# Altium PCB Copy of Board_EP1C6T144I8N.PcbDoc (part 2 of 3)
Units mm, origin at the board's own origin, x right, y up, seen from the top; angles counter-clockwise.
Board outline 55 x 59 mm, 2 copper layers (Top Layer, Bottom Layer); 250 components, 211 nets, 1313 pads, 196 vias.
Unrouted connection lines stored in the file: 101.
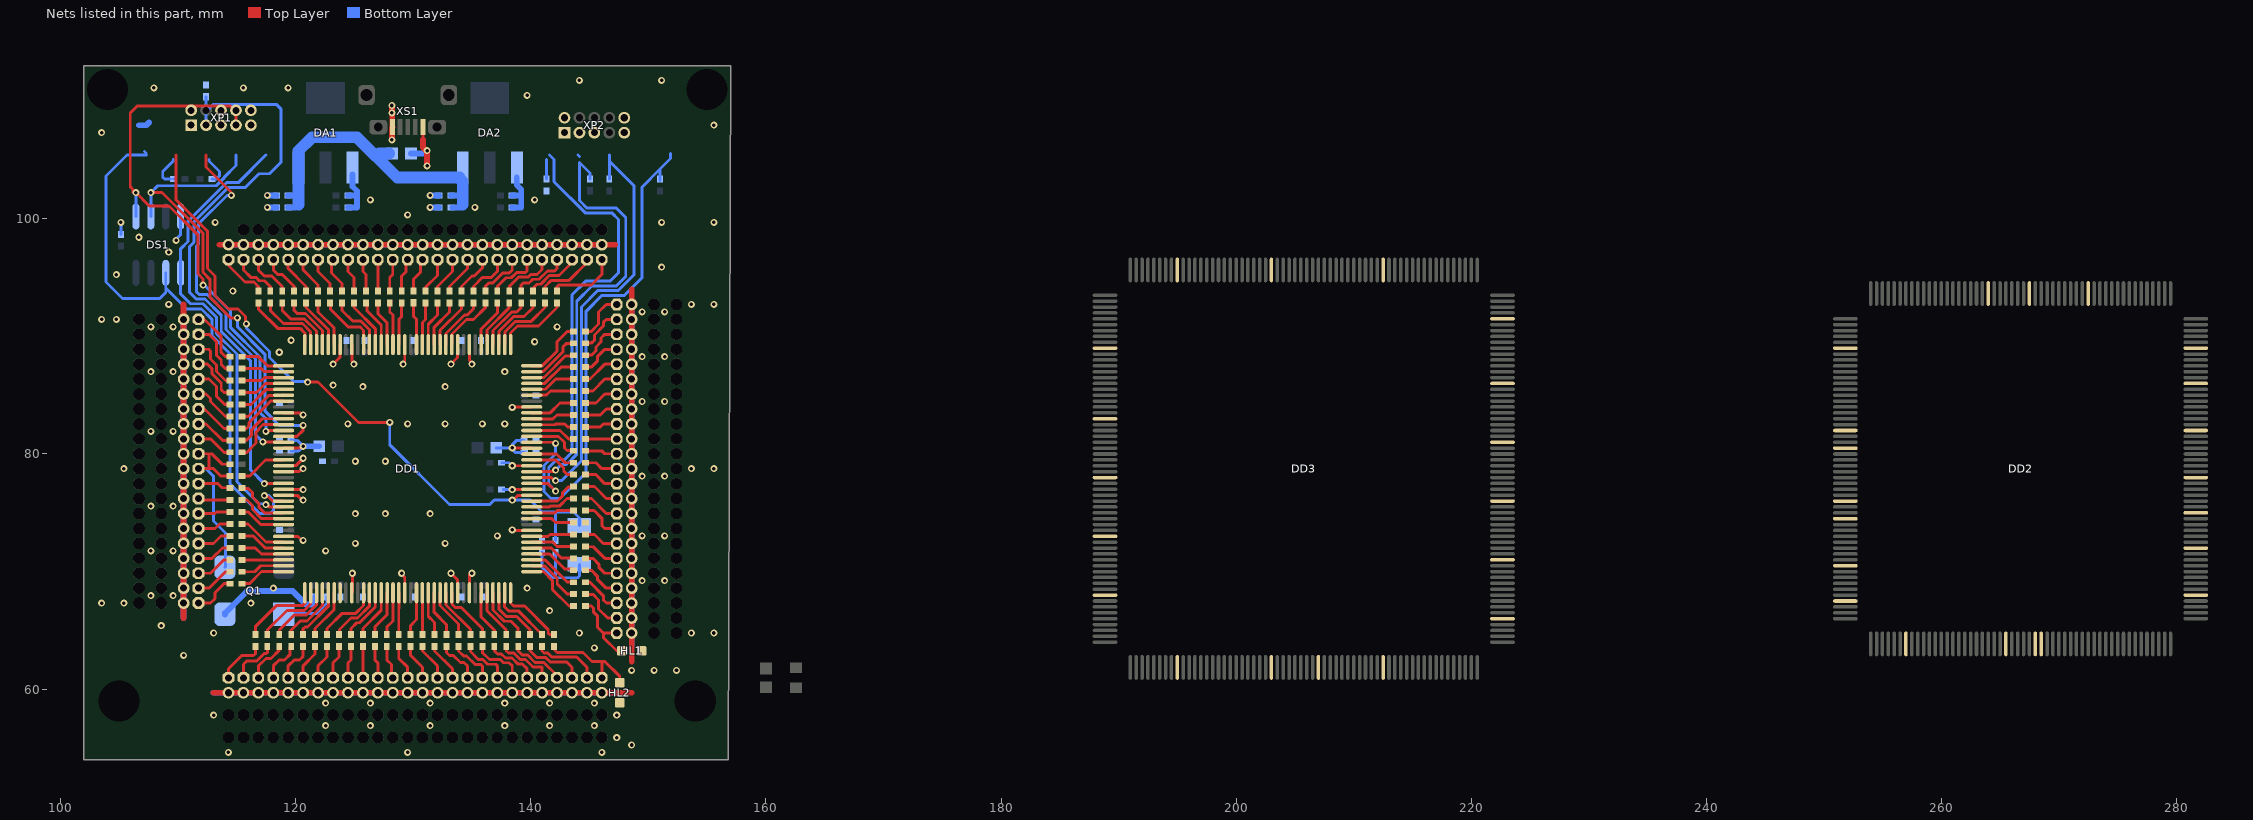
[diagram p2: the nets of this part, all layers, seen from the top]

## Via types
v1: diameter 0.6, hole 0.3, Top Layer to Bottom Layer, tented both sides, 196 vias

## Nets (pads, with @x,y where several pads share a name; then routed paths per layer and width w, separated by ;. In a path a pad name is that pad's centre, name@x,y a point inside that pad or via, vN(x,y) a via of type N, cw(c..) or ccw(c..) an arc to the next point about the centre after c; other vN are vias at no path point) (continued)
GND: C1.1 C2.2 C3.1 C4.2 C5.2 C6.2 C7.2 C8.2 C9.2 C10.2 C11.2 C12.2 C13.2 C14.2 C15.2 C16.2 C17.2 C18.2 C19.2 C20.2 C21.2 C22.2 C23.2 C24.2 C25.1 C26.1 C27.2 C28.2 C29.1 C30.1 C31.2 DA1.1 DA2.1 DD1.9 DD1.18 DD1.19 DD1.22 DD1.23 DD1.30 DD1.43 DD1.45 DD1.54 DD1.63 DD1.65 DD1.80 DD1.91 DD1.101 DD1.116 DD1.118 DD1.127 DD1.136 DD1.138 DD2.6 DD2.20 DD2.23 DD2.32 DD2.35 DD2.43 DD2.49 DD2.59 DD2.76 DD2.81 DD2.82 DD2.109 DD2.117 DD2.123 DD2.129 DD2.137 DD2.145 DD2.151 DD2.171 DD2.181 DD2.188 DD3.10 DD3.22 DD3.32 DD3.42 DD3.52 DD3.69 DD3.85 DD3.93 DD3.104 DD3.125 DD3.135 DD3.145 DD3.155 DD3.165 DD3.176 DD3.197 DD3.216 DD3.232 DS1.4 HL1.K HL2.K pad.0@104,111 pad.0@105,59 pad.0@110.49,67.31 pad.0@110.49,68.58 pad.0@110.49,69.85 pad.0@110.49,71.12 pad.0@110.49,72.39 pad.0@110.49,73.66 pad.0@110.49,74.93 pad.0@110.49,76.2 pad.0@110.49,77.47 pad.0@110.49,78.74 pad.0@110.49,80.01 pad.0@110.49,81.28 pad.0@110.49,82.55 pad.0@110.49,83.82 pad.0@110.49,85.09 pad.0@110.49,86.36 pad.0@110.49,87.63 pad.0@110.49,88.9 pad.0@110.49,90.17 pad.0@110.49,91.44 pad.0@114.3,59.69 pad.0@114.3,97.79 pad.0@115.57,59.69 pad.0@115.57,97.79 pad.0@116.84,59.69 pad.0@116.84,97.79 pad.0@118.11,59.69 pad.0@118.11,97.79 pad.0@119.38,59.69 pad.0@119.38,97.79 pad.0@120.65,59.69 pad.0@120.65,97.79 pad.0@121.92,59.69 pad.0@121.92,97.79 pad.0@123.19,59.69 pad.0@123.19,97.79 pad.0@124.46,59.69 pad.0@124.46,97.79 pad.0@125.73,59.69 pad.0@125.73,97.79 pad.0@127,59.69 pad.0@127,97.79 pad.0@128.27,59.69 pad.0@128.27,97.79 pad.0@129.54,59.69 pad.0@129.54,97.79 pad.0@130.81,59.69 pad.0@130.81,97.79 pad.0@132.08,59.69 pad.0@132.08,97.79 pad.0@133.35,59.69 pad.0@133.35,97.79 pad.0@134.62,59.69 pad.0@134.62,97.79 pad.0@135.89,59.69 pad.0@135.89,97.79 pad.0@137.16,59.69 pad.0@137.16,97.79 pad.0@138.43,59.69 pad.0@138.43,97.79 pad.0@139.7,59.69 pad.0@139.7,97.79 pad.0@140.97,59.69 pad.0@140.97,97.79 pad.0@142.24,59.69 pad.0@142.24,97.79 pad.0@143.51,59.69 pad.0@143.51,97.79 pad.0@144.78,59.69 pad.0@144.78,97.79 pad.0@146.05,59.69 pad.0@146.05,97.79 pad.0@148.59,64.77 pad.0@148.59,66.04 pad.0@148.59,67.31 pad.0@148.59,68.58 pad.0@148.59,69.85 pad.0@148.59,71.12 pad.0@148.59,72.39 pad.0@148.59,73.66 pad.0@148.59,74.93 pad.0@148.59,76.2 pad.0@148.59,77.47 pad.0@148.59,78.74 pad.0@148.59,80.01 pad.0@148.59,81.28 pad.0@148.59,82.55 pad.0@148.59,83.82 pad.0@148.59,85.09 pad.0@148.59,86.36 pad.0@148.59,87.63 pad.0@148.59,88.9 pad.0@148.59,90.17 pad.0@148.59,91.44 pad.0@148.59,92.71 pad.0@154,59 pad.0@155,111 Q1.2 R8.2 R54.2 XP1.2 XP1.10 XP2.2 XP2.10 XS1.5 | length 309.5
  Top Layer w0.25: DD1.30@118.99,72.99 119,72.98 120.219,72.98 120.555,72.644 v1(120.65,72.644) ; DD1.23@118.99,76.49 119,76.48 120.148,76.48 120.555,76.073 v1(120.65,76.073) ; DD1.22@118.99,76.99 119,76.98 120.632,76.98 v1(120.65,76.962) ; DD1.19@118.99,78.49 120.305,78.49 120.555,78.74 v1(120.65,78.74) ; DD1.18@118.99,78.99 119,79 120.021,79 v1(120.65,79.629) ; DD1.9@118.99,83.49 120.377,83.49 120.555,83.312 v1(120.65,83.312) ; v1(123.19,87.63) 123.78,88.22 123.78,89.28 DD1.138@123.79,89.29 ; DD1.45@124.79,68.19 124.841,68.241 v1(124.841,69.85) ; DD1.136@124.79,89.29 124.79,87.903 124.968,87.725 v1(124.968,87.63) ; v1(129.032,69.85) 129.032,69.755 129.29,69.497 DD1.54@129.29,68.19 ; v1(129.159,87.63) 129.159,87.725 129.29,87.856 DD1.127@129.29,89.29 ; v1(133.223,69.85) 133.78,69.293 133.78,68.2 DD1.63@133.79,68.19 ; v1(133.223,87.63) 133.78,88.187 133.78,89.28 DD1.118@133.79,89.29 ; DD1.65@134.79,68.19 134.78,68.2 134.78,69.704 134.927,69.85 v1(135.001,69.85) ; DD1.116@134.79,89.29 134.79,87.936 135.001,87.725 v1(135.001,87.63) ; v1(138.43,73.533) 138.463,73.5 140.08,73.5 DD1.80@140.09,73.49 ; v1(138.43,78.994) 138.432,78.992 140.088,78.992 DD1.91@140.09,78.99 ; v1(138.43,83.947) 138.463,83.98 140.08,83.98 DD1.101@140.09,83.99
  Top Layer w0.5: 110.49,66.04 pad.0@110.49,67.31 pad.0@110.49,68.58 pad.0@110.49,69.85 pad.0@110.49,71.12 pad.0@110.49,72.39 pad.0@110.49,73.66 pad.0@110.49,74.93 pad.0@110.49,76.2 pad.0@110.49,77.47 pad.0@110.49,78.74 pad.0@110.49,80.01 pad.0@110.49,81.28 pad.0@110.49,82.55 pad.0@110.49,83.82 pad.0@110.49,85.09 pad.0@110.49,86.36 pad.0@110.49,87.63 pad.0@110.49,88.9 pad.0@110.49,90.17 pad.0@110.49,91.44 110.49,92.71 ; 113.03,59.69 pad.0@114.3,59.69 pad.0@115.57,59.69 pad.0@116.84,59.69 pad.0@118.11,59.69 pad.0@119.38,59.69 pad.0@120.65,59.69 pad.0@121.92,59.69 pad.0@123.19,59.69 pad.0@124.46,59.69 pad.0@125.73,59.69 pad.0@127,59.69 pad.0@128.27,59.69 pad.0@129.54,59.69 pad.0@130.81,59.69 pad.0@132.08,59.69 pad.0@133.35,59.69 pad.0@134.62,59.69 pad.0@135.89,59.69 pad.0@137.16,59.69 pad.0@138.43,59.69 pad.0@139.7,59.69 pad.0@140.97,59.69 pad.0@142.24,59.69 pad.0@143.51,59.69 pad.0@144.78,59.69 pad.0@146.05,59.69 148.59,59.69 ; 113.538,97.79 pad.0@114.3,97.79 pad.0@115.57,97.79 pad.0@116.84,97.79 pad.0@118.11,97.79 pad.0@119.38,97.79 pad.0@120.65,97.79 pad.0@121.92,97.79 pad.0@123.19,97.79 pad.0@124.46,97.79 pad.0@125.73,97.79 pad.0@127,97.79 pad.0@128.27,97.79 pad.0@129.54,97.79 pad.0@130.81,97.79 pad.0@132.08,97.79 pad.0@133.35,97.79 pad.0@134.62,97.79 pad.0@135.89,97.79 pad.0@137.16,97.79 pad.0@138.43,97.79 pad.0@139.7,97.79 pad.0@140.97,97.79 pad.0@142.24,97.79 pad.0@143.51,97.79 pad.0@144.78,97.79 pad.0@146.05,97.79 147.193,97.79 ; v1(128.199,106.705) 128.218,106.724 128.218,107.768 XS1.5@128.24,107.79 128.229,107.801 128.229,108.834 v1(128.199,108.991) v1(128.199,109.626) ; 148.59,62.357 pad.0@148.59,64.77 pad.0@148.59,66.04 pad.0@148.59,67.31 pad.0@148.59,68.58 pad.0@148.59,69.85 pad.0@148.59,71.12 pad.0@148.59,72.39 pad.0@148.59,73.66 pad.0@148.59,74.93 pad.0@148.59,76.2 pad.0@148.59,77.47 pad.0@148.59,78.74 pad.0@148.59,80.01 pad.0@148.59,81.28 pad.0@148.59,82.55 pad.0@148.59,83.82 pad.0@148.59,85.09 pad.0@148.59,86.36 pad.0@148.59,87.63 pad.0@148.59,88.9 pad.0@148.59,90.17 pad.0@148.59,91.44 pad.0@148.59,92.71 148.59,93.98
  Bottom Layer w0.25: C3.1@105.156,98.671 v1(105.156,99.695) ; v1(109.855,98.158) 109.855,98.285 110.236,98.666 DS1.4@110.236,100.19 ; C8.2@137.541,79.248 138.176,79.248 ; v1@138.335,78.994 v1(138.43,78.994)
  Bottom Layer w0.5: 106.68,107.95 107.315,107.95 107.532,108.167 ; 110.49,66.04 pad.0@110.49,67.31 pad.0@110.49,68.58 pad.0@110.49,69.85 pad.0@110.49,71.12 pad.0@110.49,72.39 pad.0@110.49,73.66 pad.0@110.49,74.93 pad.0@110.49,76.2 pad.0@110.49,77.47 pad.0@110.49,78.74 pad.0@110.49,80.01 pad.0@110.49,81.28 pad.0@110.49,82.55 pad.0@110.49,83.82 pad.0@110.49,85.09 pad.0@110.49,86.36 pad.0@110.49,87.63 pad.0@110.49,88.9 pad.0@110.49,90.17 pad.0@110.49,91.44 ; 113.03,59.69 pad.0@114.3,59.69 pad.0@115.57,59.69 pad.0@116.84,59.69 pad.0@118.11,59.69 pad.0@119.38,59.69 pad.0@120.65,59.69 pad.0@121.92,59.69 pad.0@123.19,59.69 pad.0@124.46,59.69 pad.0@125.73,59.69 pad.0@127,59.69 pad.0@128.27,59.69 pad.0@129.54,59.69 pad.0@130.81,59.69 pad.0@132.08,59.69 pad.0@133.35,59.69 pad.0@134.62,59.69 pad.0@135.89,59.69 pad.0@137.16,59.69 pad.0@138.43,59.69 pad.0@139.7,59.69 pad.0@140.97,59.69 pad.0@142.24,59.69 pad.0@143.51,59.69 pad.0@144.78,59.69 pad.0@146.05,59.69 147.32,59.69 ; Q1.2@113.999,66.358 113.999,66.458 115.867,68.326 119.761,68.326 120.904,67.183 121.5,67.183 121.666,67.349 C1.1@121.666,67.826 ; pad.0@114.046,97.79 pad.0@114.3,97.79 pad.0@115.57,97.79 pad.0@116.84,97.79 pad.0@118.11,97.79 pad.0@119.38,97.79 pad.0@120.65,97.79 pad.0@121.92,97.79 pad.0@123.19,97.79 pad.0@124.46,97.79 pad.0@125.73,97.79 pad.0@127,97.79 pad.0@128.27,97.79 pad.0@129.54,97.79 pad.0@130.81,97.79 pad.0@132.08,97.79 pad.0@133.35,97.79 pad.0@134.62,97.79 pad.0@135.89,97.79 pad.0@137.16,97.79 pad.0@138.43,97.79 pad.0@139.7,97.79 pad.0@140.97,97.79 pad.0@142.24,97.79 pad.0@143.51,97.79 pad.0@144.78,97.79 pad.0@146.05,97.79 ; v1(117.602,100.965) C23.2@118.372,100.965 ; v1(117.602,101.981) C25.1@118.372,101.981 ; C27.2@124.452,100.965 125.222,100.965 125.222,101.981 ; C29.1@124.452,101.981 125.222,101.981 ; DA1.1@124.841,103.759 124.841,102.743 125.222,102.362 125.222,101.981 ; v1(131.445,100.965) C24.2@132.215,100.965 ; v1(131.445,101.981) C26.1@132.207,101.981 ; C28.2@138.422,100.965 139.192,100.965 139.192,101.854 ; C30.1@138.422,101.981 139.065,101.981 139.192,101.854 ; DA2.1@138.811,103.505 138.811,102.87 139.192,102.489 139.192,101.854 ; 148.59,63.5 pad.0@148.59,64.77 pad.0@148.59,66.04 pad.0@148.59,67.31 pad.0@148.59,68.58 pad.0@148.59,69.85 pad.0@148.59,71.12 pad.0@148.59,72.39 pad.0@148.59,73.66 pad.0@148.59,74.93 pad.0@148.59,76.2 pad.0@148.59,77.47 pad.0@148.59,78.74 pad.0@148.59,80.01 pad.0@148.59,81.28 pad.0@148.59,82.55 pad.0@148.59,83.82 pad.0@148.59,85.09 pad.0@148.59,86.36 pad.0@148.59,87.63 pad.0@148.59,88.9 pad.0@148.59,90.17 pad.0@148.59,91.44 pad.0@148.59,92.71
  other v1: 114.3,54.61 129.54,54.61 146.05,54.61 148.59,55.245 147.32,55.88 122.555,56.896 126.365,56.896 131.445,56.896 137.795,56.896 141.605,56.896 145.415,56.896 113.03,57.785 147.32,57.785 122.555,58.801 126.365,58.801 131.445,58.801 137.795,58.801 141.605,58.801 145.415,58.801 148.59,61.595 150.495,61.595 152.4,61.595 110.49,62.865 145.415,63.5 113.03,64.77 144.145,64.77 153.67,64.77 155.575,64.77 108.585,65.405 141.605,66.675 103.505,67.31 105.41,67.31 116.205,67.31 107.696,67.945 109.601,67.945 118.11,68.58 139.7,68.58 149.479,69.215 151.384,69.215 107.696,71.755 109.601,71.755 122.555,71.755 125.095,72.39 132.715,72.39 137.16,73.025 149.479,73.025 151.384,73.025 125.095,74.93 127.635,74.93 131.445,74.93 107.696,75.565 109.601,75.565 149.479,78.105 151.384,78.105 105.41,78.74 153.67,78.74 155.575,78.74 125.095,79.375 127.635,79.375 107.696,81.915 109.601,81.915 124.46,82.55 129.54,82.55 132.715,82.55 135.89,82.55 137.795,82.55 149.479,84.455 151.384,84.455 125.73,85.725 132.715,85.725 123.19,85.852 107.696,86.995 109.601,86.995 137.795,86.995 149.479,88.265 151.384,88.265 118.618,88.646 140.335,89.535 119.634,89.662 107.696,90.805 109.601,90.805 142.24,90.805 103.505,91.44 104.775,91.44 149.479,92.075 151.384,92.075 109.22,92.71 153.67,92.71 155.575,92.71 114.681,93.853 104.775,95.25 151.13,95.885 109.22,97.155 106.68,98.425 113.157,99.695 151.13,99.695 155.575,99.695 129.54,100.33 135.255,100.965 126.365,101.6 140.335,101.6 103.505,107.315 155.575,107.95 139.7,110.49 107.95,111.125 115.57,111.125 119.38,111.125 144.145,111.76 151.13,111.76
NetC17_1: C17.1 C21.1 DD1.15 ZL1.2 | length 5.3
  Top Layer w0.25: DD1.15@118.99,80.49 v1@120.4,80.49
  Bottom Layer w0.25: C17.1@119.626,80.264 120.269,80.264 120.536,80.531 120.637,80.531 120.65,80.518 v1(120.65,80.645) 120.142,81.153 119.654,81.153 C21.1@119.626,81.181
  Bottom Layer w0.5: v1(120.65,80.645) ZL1.2@122.009,80.645
NetC18_1: C18.1 C22.1 DD1.94 ZL2.2 | length 5.6
  Top Layer w0.25: v1(138.43,80.518) 138.448,80.5 140.08,80.5 DD1.94@140.09,80.49 DD1.94@140.1,80.5
  Bottom Layer w0.25: ZL2.2@137.071,80.518 v1(138.43,80.518) 138.43,80.772 138.811,81.153 C18.1@139.446,81.153 ; v1@138.43,80.391 138.684,80.137 C22.1@139.454,80.137
NetC23_1: C23.1 C24.1 C25.2 C26.2 DA1.3 DA2.3 ZL3.2 | length 26.6
  Bottom Layer w0.5: C23.1@119.372,100.965 120.015,100.965 120.269,101.219 ; C25.2@119.372,101.981 119.888,101.981 120.015,101.854 ; C26.2@133.207,101.981 134.112,101.981 ; C24.1@133.342,100.965 133.985,100.965 134.112,101.092
  Bottom Layer w1: 120.269,101.219 120.255,101.219 DA1.3@120.255,104.365 120.255,105.777 121.412,106.934 125.222,106.934 128.651,103.505 129.413,103.505 ; 127.127,105.537 ZL3.2@127.978,105.537 ; 129.54,103.505 DA2.3@133.971,103.505 ; DA2.3@133.971,103.378 134.225,103.124 134.225,101.219
NetC31_1: C31.1 R107.2 VD1.1 | length 8
  Bottom Layer w0.25: C31.1@140.97,71.636 140.97,70.358 141.859,69.469 142.113,69.469 ; R107.2@142.113,71.628 142.113,69.469 ; VD1.1@144.145,70.612 144.145,69.615 143.999,69.469 142.113,69.469
NetDD1_1: DD1.1 R26.2 | length 3.9
  Top Layer w0.25: R26.2@115.435,88.265 116.84,88.265 117.615,87.49 DD1.1@118.99,87.49
NetDD1_2: DD1.2 R25.2 | length 3.7
  Top Layer w0.25: R25.2@115.435,87.249 117.094,87.249 117.353,86.99 DD1.2@118.99,86.99
NetDD1_3: DD1.3 R24.2 | length 3.7
  Top Layer w0.25: R24.2@115.435,86.233 117.126,86.233 117.383,86.49 DD1.3@118.99,86.49
NetDD1_4: DD1.4 R23.2 | length 3.9
  Top Layer w0.25: R23.2@115.435,85.217 116.676,85.217 117.449,85.99 118.861,85.99 DD1.4@118.99,85.99
NetDD1_5: DD1.5 R22.2 | length 4.1
  Top Layer w0.25: R22.2@115.435,84.074 115.562,84.201 116.225,84.201 117.514,85.49 118.345,85.49 DD1.5@118.99,85.49
NetDD1_6: DD1.6 R21.2 | length 4.3
  Top Layer w0.25: R21.2@115.435,83.185 115.951,83.185 117.746,84.98 118.98,84.98 DD1.6@118.99,84.99
NetDD1_7: DD1.7 R20.2 | length 4.7
  Top Layer w0.25: R20.2@115.435,82.169 115.824,82.169 116.04,82.385 116.04,82.639 117.891,84.49 DD1.7@118.99,84.49
NetDD1_10: DD1.10 R19.2 | length 4.6
  Top Layer w0.25: R19.2@115.435,81.153 115.824,81.153 116.246,81.575 116.246,82.014 116.44,82.208 116.44,82.259 117.171,82.99 DD1.10@118.99,82.99
NetDD1_11: DD1.11 R18.2 | length 5.1
  Top Layer w0.25: R18.2@115.435,80.137 115.868,80.137 116.646,80.915 116.646,81.848 116.9,82.102 116.9,82.153 117.237,82.49 DD1.11@118.99,82.49
NetDD1_12: DD1.12 DS1.1 XP1.8 | length 47.5
  Top Layer w0.25: v1(112.141,94.361) 112.141,94.869 111.722,95.288 111.722,98.602 109.232,101.092 107.569,101.092 106.426,102.235 106.172,102.235 106.172,102.489 105.945,102.716 105.945,108.993 106.553,109.601 114.427,109.601 114.935,109.093 114.935,107.95 ; v1(117.475,81.915) 117.54,81.98 118.98,81.98 DD1.12@118.99,81.99
  Bottom Layer w0.25: DS1.1@106.426,100.19 v1(106.426,102.222) ; v1(112.141,94.361) 112.241,94.361 114.487,92.115 114.487,90.733 116.989,88.231 116.989,83.494 117.475,83.008 v1(117.475,81.915) ; 114.935,107.95 115.116,108.131
NetDD1_13: DD1.13 DS1.2 XP1.7 | length 40.7
  Top Layer w0.25: v1@107.696,102.235 108.654,102.235 112.122,98.767 112.122,95.454 112.716,94.86 112.716,93.347 114.496,91.567 v1(115.062,91.567) ; DD1.13@118.99,81.49 118.998,81.498 120.137,81.498 120.65,82.011 v1(120.65,82.423)
  Bottom Layer w0.25: DS1.2@107.696,100.19 v1(107.696,102.222) ; v1@107.696,102.235 107.709,102.235 108.277,102.803 113.259,102.803 113.938,103.482 113.938,103.524 114.935,104.521 114.935,105.41 ; v1(115.062,91.567) 115.062,90.805 117.389,88.478 117.389,83.66 118.626,82.423 v1(120.65,82.423)
NetDD1_14: DD1.14 R3.1 XP1.5 | length 33.8
  Top Layer w0.25: 112.395,105.41 112.395,104.394 114.554,102.235 v1(114.554,101.981) ; v1(117.221,81.026) 117.247,81 118.98,81 DD1.14@118.99,80.99
  Bottom Layer w0.25: 112.649,105.029 112.649,104.902 113.538,104.013 113.538,103.649 113.267,103.378 R3.1@112.895,103.378 ; v1(114.554,101.981) 114.173,101.981 111.76,99.568 111.76,97.836 111.566,97.642 111.566,93.793 111.79,93.569 112.467,93.569 114.087,91.949 114.087,90.568 116.589,88.066 116.589,81.658 v1(117.221,81.026)
NetDD1_17: DD1.17 R5.2 | length 4.1
  Top Layer w0.25: R5.2@115.435,78.105 116.078,78.105 117.453,79.48 118.98,79.48 DD1.17@118.99,79.49
NetDD1_21: DD1.21 R8.1 XP1.6 | length 51.4
  Top Layer w0.25: v1@117.485,77.48 118.98,77.48 DD1.21@118.99,77.49
  Bottom Layer w0.25: R8.1@112.395,110.371 112.395,109.093 ; v1(117.348,77.47) 116.189,78.629 116.189,87.9 113.687,90.402 113.687,91.783 112.302,93.169 111.555,93.169 110.998,93.726 110.998,97.64 111.36,98.002 111.36,99.734 114.293,102.667 115.748,102.667 116.903,103.822 117.792,103.822 118.75,104.78 118.75,109.342 118.364,109.728 113.03,109.728 112.395,109.093 ; 112.395,109.093 112.395,107.95 112.395,109.093
NetDD1_24: DD1.24 DS1.6 XP1.1 | length 49.1
  Top Layer w0.25: v1(117.348,76.454) 117.415,76.387 v1@117.51,76.387 ; v1@117.475,76.454 117.475,76.422 v1@117.51,76.387 ; DD1.24@118.99,75.99 118.066,75.99 117.669,76.387 v1@117.51,76.387
  Bottom Layer w0.25: 107.151,105.715 107.278,105.588 ; 107.315,105.41 105.664,105.41 103.886,103.632 103.886,94.615 105.283,93.218 108.458,93.218 108.966,93.726 108.966,94.107 ; DS1.6@108.966,95.403 DS1.6@108.966,95.39 108.966,94.107 ; v1(117.348,76.454) 117.729,76.454 118.11,76.073 118.11,75.184 117.856,74.93 116.967,74.93 114.427,77.47 114.427,88.519 112.887,90.059 112.887,91.452 112.01,92.329 110.744,92.329 108.966,94.107
NetDD1_25: DD1.25 DS1.5 XP1.9 | length 38.8
  Top Layer w0.25: v1(117.475,75.692) 117.57,75.692 117.762,75.5 118.98,75.5 DD1.25@118.99,75.49
  Bottom Layer w0.25: v1(117.475,75.692) 117.408,75.759 116.9,75.759 115.024,77.635 115.024,88.488 113.287,90.225 113.287,91.618 112.136,92.769 111.066,92.769 110.236,93.599 DS1.5@110.236,95.39 110.236,97.444 110.852,98.06 110.852,99.791 114.128,103.067 115.132,103.067 117.475,105.41
NetDD1_26: DD1.26 R17.2 | length 4.8
  Top Layer w0.25: R17.2@115.435,77.089 115.467,77.057 115.983,77.057 116.332,76.708 116.332,76.327 116.9,75.759 116.9,75.454 117.364,74.99 DD1.26@118.99,74.99
NetDD1_27: DD1.27 R16.2 | length 4.4
  Top Layer w0.25: R16.2@115.435,76.073 115.868,76.073 116.332,75.609 116.332,75.276 117.118,74.49 DD1.27@118.99,74.49
NetDD1_28: DD1.28 R15.2 | length 4
  Top Layer w0.25: R15.2@115.435,75.057 115.985,75.057 117.052,73.99 DD1.28@118.99,73.99
NetDD1_31: DD1.31 R14.2 | length 4.2
  Top Layer w0.25: R14.2@115.435,74.041 115.951,74.041 117.492,72.5 118.98,72.5 DD1.31@118.99,72.49
NetDD1_32: DD1.32 R13.2 | length 4
  Top Layer w0.25: R13.2@115.435,73.025 116.401,73.025 117.427,72 118.98,72 DD1.32@118.99,71.99
NetDD1_33: DD1.33 R12.2 | length 3.8
  Top Layer w0.25: R12.2@115.435,72.009 116.586,72.009 117.105,71.49 DD1.33@118.99,71.49
NetDD1_34: DD1.34 R11.2 | length 3.6
  Top Layer w0.25: R11.2@115.435,70.993 117.472,70.993 117.475,70.99 DD1.34@118.99,70.99
NetDD1_35: DD1.35 R10.2 | length 3.8
  Top Layer w0.25: R10.2@115.435,69.977 116.528,69.977 117.041,70.49 DD1.35@118.99,70.49
NetDD1_36: DD1.36 R9.2 | length 4
  Top Layer w0.25: R9.2@115.435,68.961 116.078,68.961 117.107,69.99 DD1.36@118.99,69.99
NetDD1_37: DD1.37 R102.1 | length 6.6
  Top Layer w0.25: R102.1@116.586,64.635 116.586,65.31 118.37,67.094 120.584,67.094 120.79,67.3 DD1.37@120.79,68.19
NetDD1_38: DD1.38 R101.1 | length 5.9
  Top Layer w0.25: R101.1@117.602,64.635 117.602,65.024 119.272,66.694 120.75,66.694 121.28,67.224 121.28,68.18 DD1.38@121.29,68.19
NetDD1_39: DD1.39 R100.1 | length 5.5
  Top Layer w0.25: R100.1@118.618,64.635 118.618,65.024 119.888,66.294 120.916,66.294 121.79,67.168 DD1.39@121.79,68.19
NetDD1_40: DD1.40 R99.1 | length 5
  Top Layer w0.25: R99.1@119.634,64.635 119.634,65.024 120.396,65.786 120.973,65.786 122.29,67.103 DD1.40@122.29,68.19
NetDD1_41: DD1.41 R98.1 | length 4.6
  Top Layer w0.25: R98.1@120.65,64.635 120.65,65.132 120.796,65.278 121.031,65.278 122.79,67.037 DD1.41@122.79,68.19
NetDD1_42: DD1.42 R97.1 | length 4.2
  Top Layer w0.25: R97.1@121.666,64.635 121.666,65.151 123.29,66.775 DD1.42@123.29,68.19
NetDD1_47: DD1.47 R96.1 | length 5.5
  Top Layer w0.25: R96.1@122.682,64.635 122.682,65.151 123.971,66.44 125.114,66.44 125.79,67.116 DD1.47@125.79,68.19
NetDD1_48: DD1.48 R95.1 | length 5
  Top Layer w0.25: R95.1@123.698,64.635 123.73,64.667 123.73,65.056 124.714,66.04 125.28,66.04 126.28,67.041 126.28,68.18 DD1.48@126.29,68.19
NetDD1_49: DD1.49 R94.1 | length 4.6
  Top Layer w0.25: R94.1@124.714,64.635 124.714,65.151 125.203,65.64 125.445,65.64 126.78,66.975 126.78,68.18 DD1.49@126.79,68.19
NetDD1_50: DD1.50 R93.1 | length 4.2
  Top Layer w0.25: R93.1@125.73,64.635 125.73,65.151 127.29,66.711 DD1.50@127.29,68.19
NetDD1_51: DD1.51 R92.1 | length 4
  Top Layer w0.25: R92.1@126.746,64.635 126.746,65.278 127.79,66.322 DD1.51@127.79,68.19
NetDD1_52: DD1.52 R91.1 | length 3.8
  Top Layer w0.25: R91.1@127.762,64.635 127.762,65.278 128.283,65.799 128.283,68.183 DD1.52@128.29,68.19
NetDD1_53: DD1.53 R90.1 | length 3.6
  Top Layer w0.25: R90.1@128.778,64.635 128.778,66.844 128.784,66.85 128.784,68.184 DD1.53@128.79,68.19
NetDD1_56: DD1.56 R89.1 | length 3.8
  Top Layer w0.25: R89.1@129.794,64.635 129.794,65.417 130.29,65.913 DD1.56@130.29,68.19
NetDD1_57: DD1.57 R88.1 | length 3.6
  Top Layer w0.25: DD1.57@130.79,68.19 130.8,68.18 130.8,64.645 R88.1@130.81,64.635
NetDD1_58: DD1.58 R87.1 | length 3.8
  Top Layer w0.25: DD1.58@131.29,68.19 131.29,66.195 131.826,65.659 R87.1@131.826,64.635
NetDD1_59: DD1.59 R86.1 | length 4
  Top Layer w0.25: DD1.59@131.79,68.19 131.79,66.532 132.842,65.48 R86.1@132.842,64.635
NetDD1_60: DD1.60 R85.1 | length 4.2
  Top Layer w0.25: DD1.60@132.29,68.19 132.29,67.1 133.858,65.532 R85.1@133.858,64.635
NetDD1_61: DD1.61 R84.1 | length 4.4
  Top Layer w0.25: DD1.61@132.79,68.19 132.8,68.18 132.8,67.156 134.874,65.082 R84.1@134.874,64.635
NetDD1_62: DD1.62 R83.1 | length 4.9
  Top Layer w0.25: DD1.62@133.29,68.19 133.3,68.18 133.3,67.222 133.596,66.925 134.116,66.925 135.89,65.151 R83.1@135.89,64.635
NetDD1_67: DD1.67 R82.1 | length 4
  Top Layer w0.25: DD1.67@135.79,68.19 135.79,66.14 136.906,65.024 R82.1@136.906,64.635
NetDD1_68: DD1.68 R81.1 | length 4.2
  Top Layer w0.25: DD1.68@136.29,68.19 136.29,66.668 137.922,65.036 R81.1@137.922,64.635
NetDD1_69: DD1.69 R80.1 | length 4.8
  Top Layer w0.25: DD1.69@136.79,68.19 136.793,68.187 136.793,66.73 137.756,65.767 138.322,65.767 138.938,65.151 R80.1@138.938,64.635